# Allegro board BeagleBone_AI-64_Rev_B1_PCB_220602.brd (continued)
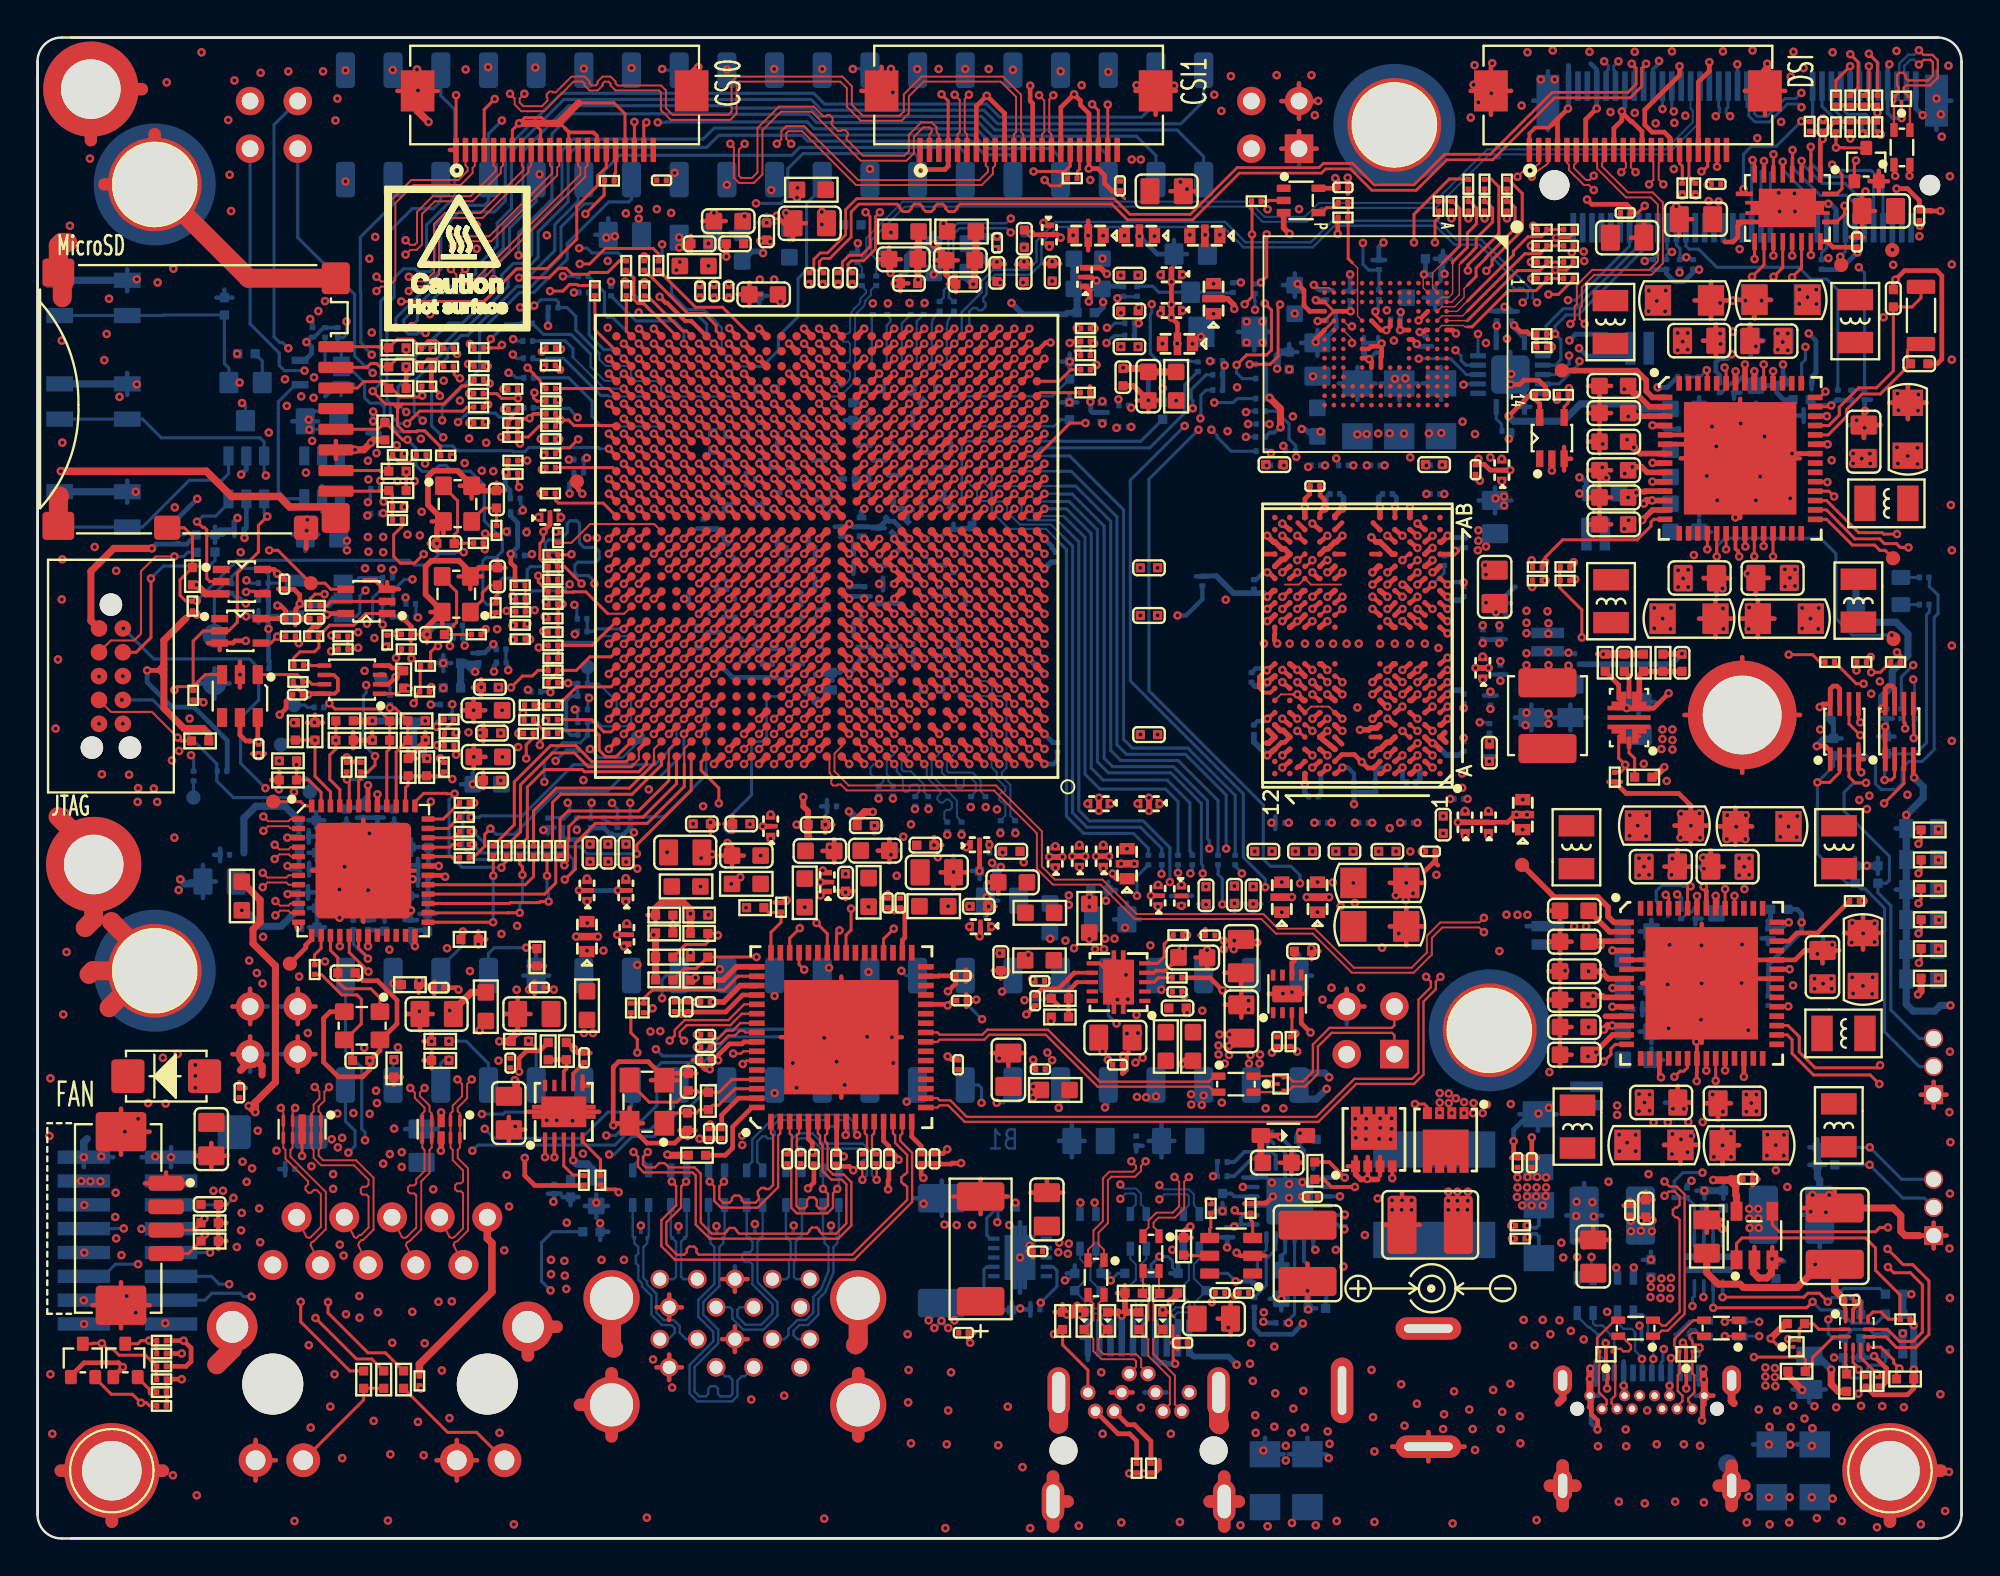
[diagram p0: board, top side]
## Routing (per net, layer and track width the routed paths; a pad name or vN(x,y) marks a point on that pad's centre or on a via; arc(x,y) is an arc through that point) (continued)
CSI0_RXRCALIB: length 0.6
  TOP w0.229: U19.F16 40.84,45.28 v1(40.84,45.28)
CSI1_RX0_N: length 136.7
  TOP w0.106: v1(36.9,74.34) 37.09,74.15 37.09,72.52 37.37,72.25 38.17,72.25 38.62,72.7 38.62,75.06 39.61,76.05 41.24,76.05 43.85,73.44 46.29,73.44 46.68,73.83 46.68,74.52 46.68,74.71 47.19,75.22 47.52,75.22 47.63,75.11 47.63,74.96 47.51,74.84 J15.2
  TOP w0.119: v1(40.84,42.08) 41.24,42.48 U19.B16
  L12-SIGNAL w0.103: v1(36.9,74.34) 37.13,74.11 37.13,73.6 37.03,73.5 36.15,73.5 36.05,73.6 36.05,74.77 35.77,75.05 35.31,75.05 35.03,74.77 35.03,73.6 34.92,73.5 34.72,73.5 34.61,73.6 34.61,74.77 34.33,75.05 33.87,75.05 33.59,74.77 33.59,73.6 33.49,73.5 33.28,73.5 33.18,73.6 33.18,74.77 32.89,75.05 32.43,75.05 32.15,74.77 32.15,73.6 32.05,73.5 31.84,73.5 31.74,73.6 31.74,74.77 31.46,75.05 31,75.05 30.72,74.77 30.72,73.6 30.61,73.5 30.41,73.5 30.3,73.6 30.3,74.77 30.02,75.05 29.56,75.05 29.28,74.77 29.28,73.6 29.18,73.5 28.97,73.5 28.87,73.6 28.87,74.77 28.58,75.05 28.12,75.05 27.84,74.77 27.84,73.6 27.74,73.5 27.47,73.5 27.36,73.6 27.36,74.21 27.08,74.49 26.62,74.49 26.34,74.21 26.34,73.6 26.24,73.5 19.79,73.5 9.93,63.64 9.93,47.52 13.46,43.98 14.83,43.98 15.22,43.6 15.22,42.27 15.61,41.87 16.17,41.87 16.61,42.31 16.97,42.31 17.3,41.98 17.3,41.22 18.51,40 18.51,39.29 22.48,35.32 22.48,33.29 25.12,30.65 27.22,30.65 27.5,30.93 27.5,31.97 27.6,32.07 27.81,32.07 27.91,31.97 27.91,30.93 28.2,30.65 31.38,30.65 32.41,31.68 32.41,32.4 33.85,33.84 33.99,33.84 34.19,33.64 34.59,33.64 34.92,33.97 34.92,34.37 34.72,34.57 34.72,34.71 35.25,35.25 36.04,35.25 37.54,36.75 37.54,38.5 38.02,38.98 39.26,38.98 40.43,40.15 40.43,41.31 40.44,41.32 40.44,41.69 v1(40.84,42.08)
CSI1_RX0_P: length 136.6
  TOP w0.106: J15.3 48.01,74.84 47.9,74.96 47.9,75.22 47.63,75.48 47.08,75.48 46.42,74.82 46.42,74.52 46.42,73.94 46.18,73.7 43.97,73.7 43.1,74.57 43.1,74.72 43.17,74.78 43.17,74.93 43.03,75.07 42.85,75.07 42.8,75.02 42.65,75.02 42.3,75.37 42.3,75.52 42.35,75.57 42.35,75.72 42.2,75.87 42.05,75.87 42,75.82 41.85,75.82 41.35,76.32 39.49,76.32 38.35,75.18 38.35,72.81 38.06,72.52 37.48,72.52 37.36,72.64 37.36,74.03 v1(37.67,74.34)
  TOP w0.119: v1(40.03,41.28) 40.44,41.68 U19.A17
  L12-SIGNAL w0.103: v1(37.67,74.34) 37.44,74.11 37.44,73.48 37.16,73.2 36.03,73.2 35.74,73.48 35.74,74.64 35.64,74.74 35.43,74.74 35.33,74.64 35.33,73.48 35.05,73.2 34.59,73.2 34.31,73.48 34.31,74.64 34.2,74.74 34,74.74 33.89,74.64 33.89,73.48 33.61,73.2 33.15,73.2 32.87,73.48 32.87,74.64 32.77,74.74 32.56,74.74 32.46,74.64 32.46,73.48 32.18,73.2 31.72,73.2 31.43,73.48 31.43,74.64 31.33,74.74 31.12,74.74 31.02,74.64 31.02,73.48 30.74,73.2 30.28,73.2 30,73.48 30,74.64 29.89,74.74 29.69,74.74 29.58,74.64 29.58,73.48 29.3,73.2 28.84,73.2 28.56,73.48 28.56,74.64 28.46,74.74 28.25,74.74 28.15,74.64 28.15,73.48 27.87,73.2 27.34,73.2 27.06,73.48 27.06,74.08 26.95,74.18 26.75,74.18 26.64,74.08 26.64,73.48 26.36,73.2 19.91,73.2 10.23,63.52 10.23,47.64 13.59,44.29 14.96,44.29 15.52,43.72 15.52,42.39 15.74,42.18 16.05,42.18 16.48,42.61 17.09,42.61 17.6,42.1 17.6,41.34 18.82,40.12 18.82,39.41 22.78,35.45 22.78,33.42 23.02,33.18 23.16,33.18 23.31,33.33 23.46,33.33 23.6,33.18 23.6,33.04 23.46,32.89 23.46,32.74 24.53,31.67 24.75,31.67 24.93,31.48 24.93,31.27 25.25,30.95 26.27,30.95 26.43,31.12 26.68,31.12 26.84,30.95 27.09,30.95 27.2,31.06 27.2,32.09 27.48,32.38 27.94,32.38 28.22,32.09 28.22,31.06 28.32,30.95 31.25,30.95 32.1,31.8 32.1,32.53 33.72,34.15 34.12,34.15 34.32,33.95 34.46,33.95 34.61,34.1 34.61,34.24 34.41,34.44 34.41,34.84 35.13,35.55 35.91,35.55 36.45,36.09 36.45,36.23 36.42,36.27 36.42,36.42 36.56,36.56 36.71,36.56 36.74,36.53 36.89,36.53 37.23,36.87 37.23,38.62 37.9,39.29 39.14,39.29 40.13,40.28 40.13,41.19 v1(40.03,41.28)
CSI1_RX1_N: length 136.8
  TOP w0.106: v1(48.86,76.95) 49.13,76.68 49.13,74.96 49.01,74.84 J15.5
  TOP w0.119: U19.D15 42.04,44.08 v1(41.64,43.68)
  L12-SIGNAL w0.103: v1(48.86,76.95) 49.08,76.72 49.08,76.38 48.92,76.22 47.65,76.22 47.55,76.32 47.55,76.7 47.27,76.98 46.81,76.98 46.53,76.7 46.53,76.32 46.42,76.22 44.79,76.22 44.69,76.32 44.69,76.54 44.41,76.83 43.95,76.83 43.66,76.54 43.66,76.32 43.56,76.22 43.35,76.22 43.25,76.32 43.25,76.54 42.97,76.83 42.51,76.83 42.23,76.54 42.23,76.32 42.12,76.22 41.92,76.22 41.81,76.32 41.81,76.54 41.53,76.83 41.07,76.83 40.79,76.54 40.79,76.32 40.69,76.22 40.48,76.22 40.38,76.32 40.38,76.54 40.1,76.83 39.64,76.83 39.35,76.54 39.35,76.32 39.25,76.22 39.04,76.22 38.94,76.32 38.94,76.54 38.66,76.83 38.2,76.83 37.92,76.54 37.92,76.32 37.81,76.22 37.61,76.22 37.5,76.32 37.5,76.54 37.22,76.83 36.76,76.83 36.48,76.54 36.48,76.32 36.38,76.22 36.17,76.22 36.07,76.32 36.07,76.54 35.79,76.83 35.33,76.83 35.04,76.54 35.04,76.32 34.94,76.22 27.05,76.22 25.86,75.02 24.69,75.02 24.4,74.74 24.4,74.57 24.3,74.46 24.09,74.46 23.99,74.57 23.99,74.74 23.71,75.02 23.25,75.02 22.97,74.74 22.97,74.57 22.86,74.46 22.66,74.46 22.55,74.57 22.55,74.74 22.27,75.02 21.81,75.02 21.53,74.74 21.53,74.57 21.43,74.46 21.22,74.46 21.12,74.57 21.12,74.74 20.84,75.02 19.68,75.02 8.91,64.25 8.91,46.96 9.15,46.72 9.15,46.57 8.59,46.01 8.59,45.61 8.91,45.28 9.31,45.28 9.88,45.85 10.02,45.85 10.17,45.7 10.17,45.56 9.6,44.99 9.6,44.59 9.93,44.26 10.33,44.26 10.89,44.83 11.04,44.83 11.19,44.68 11.19,44.54 10.62,43.97 10.62,43.57 10.95,43.25 11.34,43.25 11.91,43.81 12.06,43.81 12.23,43.64 12.23,43.63 12.62,43.23 12.64,43.23 12.8,43.07 12.8,42.92 12.59,42.71 12.59,42.31 12.92,41.99 13.31,41.99 13.52,42.2 13.67,42.2 21.36,34.51 21.36,34.21 21.26,34.11 20.57,34.11 20.29,33.83 20.29,33.37 20.57,33.09 21.26,33.09 21.36,32.98 21.36,32.61 24.28,29.68 32.08,29.68 34.92,32.53 36.02,32.53 36.62,33.14 36.62,33.54 36.11,34.05 36.11,34.2 36.26,34.35 36.4,34.35 36.92,33.83 37.32,33.83 39.93,36.44 39.93,38.17 40.46,38.7 41.28,38.7 41.81,39.23 41.81,40.99 42.03,41.21 42.03,42.24 41.79,42.49 41.47,42.49 41.24,42.72 41.24,43.04 41.64,43.43 v1(41.64,43.68)
CSI1_RX1_P: length 136.8
  TOP w0.106: v1(49.62,76.95) 49.4,76.73 49.4,74.96 49.51,74.84 J15.6
  TOP w0.119: U19.C16 41.24,43.28 v1(40.84,42.88)
  L12-SIGNAL w0.103: v1(40.84,42.88) 40.94,42.78 40.94,42.59 41.24,42.29 41.24,41.25 41.51,40.98 41.51,40.39 41.4,40.28 41.17,40.28 41.07,40.18 41.07,39.97 41.17,39.87 41.4,39.87 41.51,39.77 41.51,39.36 41.16,39.01 40.33,39.01 39.62,38.29 39.62,37.95 39.42,37.75 39.42,37.53 39.62,37.33 39.62,36.57 38.77,35.72 38.62,35.72 38.5,35.84 38.36,35.84 38.21,35.69 38.21,35.54 38.33,35.42 38.33,35.28 37.19,34.13 37.04,34.13 36.53,34.65 36.13,34.65 35.8,34.32 35.8,33.93 36.32,33.41 36.32,33.26 35.89,32.83 34.8,32.83 34.03,32.06 33.88,32.06 33.82,32.12 33.68,32.12 33.53,31.98 33.53,31.83 33.59,31.77 33.59,31.63 31.95,29.99 24.41,29.99 21.66,32.73 21.66,33.11 21.38,33.39 20.7,33.39 20.6,33.5 20.6,33.7 20.7,33.81 21.38,33.81 21.66,34.09 21.66,34.64 16.96,39.34 16.96,39.49 17.01,39.53 17.01,39.68 16.86,39.82 16.71,39.82 16.67,39.78 16.52,39.78 13.8,42.5 13.4,42.5 13.19,42.29 13.04,42.29 12.89,42.44 12.89,42.59 13.1,42.8 13.1,43.2 12.76,43.54 12.75,43.54 12.53,43.76 12.53,43.77 12.18,44.12 11.78,44.12 11.22,43.55 11.07,43.55 10.92,43.7 10.92,43.85 11.49,44.41 11.49,44.81 11.17,45.14 10.77,45.14 10.2,44.57 10.05,44.57 9.91,44.72 9.91,44.86 10.47,45.43 10.47,45.83 10.15,46.15 9.75,46.15 9.18,45.59 9.04,45.59 8.89,45.73 8.89,45.88 9.46,46.45 9.46,46.84 9.22,47.08 9.22,64.13 19.81,74.72 20.71,74.72 20.81,74.61 20.81,74.44 21.09,74.16 21.55,74.16 21.84,74.44 21.84,74.61 21.94,74.72 22.15,74.72 22.25,74.61 22.25,74.44 22.53,74.16 22.99,74.16 23.27,74.44 23.27,74.61 23.38,74.72 23.58,74.72 23.69,74.61 23.69,74.44 23.97,74.16 24.43,74.16 24.71,74.44 24.71,74.61 24.81,74.72 25.98,74.72 27.18,75.91 27.61,75.91 27.71,75.81 27.71,75.71 27.81,75.61 28.02,75.61 28.12,75.71 28.12,75.81 28.23,75.91 35.07,75.91 35.35,76.19 35.35,76.42 35.45,76.52 35.66,76.52 35.76,76.42 35.76,76.19 36.04,75.91 36.5,75.91 36.79,76.19 36.79,76.42 36.89,76.52 37.1,76.52 37.2,76.42 37.2,76.19 37.48,75.91 37.94,75.91 38.22,76.19 38.22,76.42 38.33,76.52 38.53,76.52 38.64,76.42 38.64,76.19 38.92,75.91 39.38,75.91 39.66,76.19 39.66,76.42 39.76,76.52 39.97,76.52 40.07,76.42 40.07,76.19 40.35,75.91 40.81,75.91 41.1,76.19 41.1,76.42 41.2,76.52 41.41,76.52 41.51,76.42 41.51,76.19 41.79,75.91 42.25,75.91 42.53,76.19 42.53,76.42 42.64,76.52 42.84,76.52 42.95,76.42 42.95,76.19 43.23,75.91 43.69,75.91 43.97,76.19 43.97,76.42 44.07,76.52 44.28,76.52 44.38,76.42 44.38,76.19 44.66,75.91 46.55,75.91 46.83,76.19 46.83,76.57 46.93,76.67 47.14,76.67 47.25,76.57 47.25,76.19 47.53,75.91 49.04,75.91 49.39,76.26 49.39,76.72 v1(49.62,76.95)
CSI1_RX2_N: length 136.8
  TOP w0.106: J15.11 52.01,74.84 52.13,74.96 52.13,76.84 51.32,77.65 47.2,77.65 46.42,76.87 46.42,75.95 46.03,75.57 43.85,75.57 43.11,76.31 43.11,77.3 42.76,77.65 37.35,77.65 37.24,77.55 37.24,75.95 36.91,75.61 33.73,75.61 33.21,76.13 33.21,77.08 33.1,77.18 30.79,77.18 30.53,77.44 30.53,77.55 30.42,77.65 30.21,77.65 30.1,77.55 30.1,77.44 29.84,77.18 29.41,77.18 29.15,77.44 29.15,77.55 29.04,77.65 28.56,77.65 26.98,76.08 25.77,76.08 25.42,76.43 25.42,76.76 v1(25.17,77)
  TOP w0.119: v1(43.24,43.68) 42.84,44.08 U19.D14
  L12-SIGNAL w0.103: v1(43.24,43.68) 43.2,43.69 42.68,43.43 42.63,43.29 42.67,43.23 42.67,37.69 42.31,37.33 41.81,37.33 41.22,36.75 41.22,34.74 40.88,34.4 39.61,34.4 38.76,33.54 38.76,31.74 38.43,31.41 35.96,31.41 35.1,30.55 34.44,30.55 32.46,28.57 23.7,28.57 18.16,34.1 18.16,35.86 13.54,40.48 11.91,40.48 7.69,44.7 7.69,64.74 19.25,76.29 25.17,76.29 25.4,76.52 25.4,76.78 v1(25.17,77)
CSI1_RX2_P: length 136.8
  TOP w0.106: v1(25.93,77) 25.68,76.76 25.68,76.54 25.88,76.34 26.87,76.34 27.16,76.63 27.16,76.78 27.12,76.82 27.12,76.97 27.27,77.12 27.42,77.12 27.46,77.08 27.61,77.08 28.45,77.92 29.15,77.92 29.41,77.66 29.41,77.55 29.52,77.45 29.73,77.45 29.84,77.55 29.84,77.66 30.1,77.92 30.53,77.92 30.79,77.66 30.79,77.55 30.9,77.45 33.21,77.45 33.48,77.19 33.48,76.24 33.84,75.88 36.79,75.88 36.97,76.06 36.97,77.66 37.24,77.92 42.87,77.92 43.38,77.41 43.38,76.42 43.97,75.84 45.92,75.84 46.15,76.06 46.15,76.98 47.09,77.92 51.43,77.92 52.4,76.95 52.4,74.96 52.51,74.84 J15.12
  TOP w0.119: U19.C15 42.04,43.28 v1(41.64,42.88)
  L12-SIGNAL w0.103: v1(41.64,42.88) 41.65,42.93 42.17,43.19 42.36,43.14 42.37,43.13 42.37,37.82 42.19,37.63 41.68,37.63 40.92,36.87 40.92,34.87 40.75,34.7 39.48,34.7 38.45,33.67 38.45,33.25 38.35,33.14 38.28,33.14 38.17,33.04 38.17,32.83 38.28,32.73 38.35,32.73 38.45,32.63 38.45,31.87 38.3,31.72 37.7,31.72 37.59,31.82 37.59,31.89 37.49,32 37.28,32 37.18,31.89 37.18,31.82 37.08,31.72 35.84,31.72 35.72,31.6 35.49,31.6 35.31,31.42 35.31,31.19 34.97,30.85 34.31,30.85 32.33,28.87 23.82,28.87 18.46,34.23 18.46,35.98 13.66,40.78 12.04,40.78 8,44.82 8,64.61 19.38,75.99 25.3,75.99 25.7,76.39 25.7,76.78 v1(25.93,77)
CSI1_RX3_N: length 137.2
  TOP w0.106: J15.14 53.51,74.84 53.63,74.96 53.63,76.65 v1(53.35,76.93)
  TOP w0.119: v1(44.04,44.48) 43.64,44.88 U19.E13
  L12-SIGNAL w0.103: v1(53.35,76.93) 53.58,76.7 53.58,76.41 53.39,76.22 52.32,76.22 50.62,77.92 19.28,77.92 6.53,65.17 6.53,44.26 11.73,39.06 13.64,39.06 16.76,35.93 16.76,33.9 23.14,27.52 33.12,27.52 34.75,29.15 38.89,29.15 42.52,32.78 42.52,35.86 44.09,37.43 44.09,39.39 44.22,39.52 44.22,40.81 44.43,41.02 44.43,43.52 44.43,44.09 v1(44.04,44.48)
CSI1_RX3_P: length 137.2
  TOP w0.106: v1(54.12,76.93) 53.9,76.71 53.9,74.96 54.01,74.84 J15.15
  TOP w0.119: v1(43.24,44.48) 42.84,44.88 U19.E14
  L12-SIGNAL w0.103: v1(43.24,44.48) 43.64,44.08 43.64,43.05 43.64,43.05 43.64,42.72 43.64,42.72 43.64,41.11 43.92,40.83 43.92,40.62 43.82,40.52 43.71,40.52 43.61,40.41 43.61,40.21 43.71,40.1 43.82,40.1 43.92,40 43.92,39.64 43.79,39.51 43.79,37.56 42.21,35.98 42.21,33.89 42.11,33.78 42.04,33.78 41.93,33.68 41.93,33.47 42.04,33.37 42.11,33.37 42.21,33.27 42.21,32.91 41.53,32.22 41.38,32.22 41.35,32.26 41.2,32.26 41.06,32.11 41.06,31.96 41.09,31.93 41.09,31.79 38.76,29.46 34.62,29.46 32.99,27.83 23.26,27.83 17.07,34.03 17.07,36.06 13.76,39.36 11.86,39.36 6.83,44.39 6.83,65.04 19.4,77.61 50.49,77.61 52.2,75.91 53.52,75.91 53.89,76.28 53.89,76.7 v1(54.12,76.93)
CSI1_RXCLK_N: length 136.1
  TOP w0.106: v1(39.39,74.34) 39.62,74.57 39.62,75.01 39.88,75.28 40.84,75.28 43.71,72.41 50.19,72.41 50.63,72.85 50.63,73.06 50.51,73.18 J15.8
  TOP w0.119: v1(40.03,42.08) 40.44,42.48 U19.B17
  L12-SIGNAL w0.103: v1(40.03,42.08) 39.82,42.08 39.64,41.89 39.64,40.65 38.98,40 33.75,40 33.6,39.84 33.6,38.04 33.75,37.89 34.44,37.89 34.83,37.5 34.83,36.33 33.88,35.38 33.48,35.38 33.1,35.76 32.92,35.76 32.81,35.65 32.81,35.46 33.19,35.09 33.19,34.69 31.71,33.21 28.83,33.21 27.56,34.48 26.67,34.48 26.29,34.87 26.29,37.13 26.16,37.26 25.53,37.26 25.42,37.15 25.42,34.66 24.94,34.18 24.23,34.18 23.54,34.87 23.54,35.63 21.47,37.7 21.47,38.1 22.05,38.68 22.05,38.83 21.9,38.97 21.75,38.97 21.17,38.4 20.78,38.4 19.61,39.57 19.61,40.74 19.5,40.84 19.13,40.84 18.84,41.12 18.84,41.58 19.13,41.86 19.5,41.86 19.61,41.97 19.61,42.33 19.3,42.64 19.16,42.64 18.96,42.44 18.56,42.44 18.23,42.77 18.23,43.16 18.43,43.36 18.43,43.51 17.66,44.28 17.51,44.28 17.01,43.78 16.61,43.78 16.29,44.1 16.29,44.5 16.79,45.01 16.79,45.15 16.58,45.36 13.59,45.36 11.63,47.31 11.63,52.29 11.39,52.53 11.39,54.71 11.29,54.81 11.18,54.81 10.89,55.09 10.89,55.55 11.18,55.84 11.29,55.84 11.39,55.94 11.39,57.28 11.29,57.38 11.15,57.38 10.87,57.67 10.87,58.13 11.15,58.41 11.29,58.41 11.39,58.51 11.39,58.72 11.29,58.82 11.15,58.82 10.87,59.1 10.87,59.56 11.15,59.84 11.29,59.84 11.39,59.95 11.39,63.73 19.28,71.62 20.7,71.62 20.8,71.72 20.8,72.06 21.09,72.34 21.55,72.34 21.83,72.06 21.83,71.72 21.93,71.62 22.14,71.62 22.24,71.72 22.24,72.06 22.52,72.34 22.98,72.34 23.26,72.06 23.26,71.72 23.37,71.62 23.57,71.62 23.68,71.72 23.68,72.06 23.96,72.34 24.42,72.34 24.7,72.06 24.7,71.72 24.8,71.62 25.01,71.62 25.11,71.72 25.11,72.06 25.4,72.34 25.86,72.34 26.14,72.06 26.14,71.72 26.24,71.62 26.45,71.62 26.55,71.72 26.55,72.06 26.83,72.34 27.29,72.34 27.57,72.06 27.57,71.72 27.68,71.62 27.88,71.62 27.99,71.72 27.99,72.06 28.27,72.34 28.73,72.34 29.01,72.06 29.01,71.72 29.11,71.62 29.32,71.62 29.42,71.72 29.42,72.06 29.71,72.34 30.17,72.34 30.45,72.06 30.45,71.72 30.55,71.62 30.76,71.62 30.86,71.72 30.86,72.06 31.14,72.34 31.6,72.34 31.88,72.06 31.88,71.72 31.99,71.62 32.19,71.62 32.3,71.72 32.3,72.06 32.58,72.34 33.04,72.34 33.32,72.06 33.32,71.72 33.42,71.62 33.63,71.62 33.73,71.72 33.73,72.06 34.02,72.34 34.48,72.34 34.76,72.06 34.76,71.72 34.86,71.62 35.07,71.62 35.17,71.72 35.17,72.06 35.45,72.34 35.91,72.34 36.19,72.06 36.19,71.72 36.3,71.62 37.72,71.62 38.48,72.38 38.48,72.53 38.12,72.89 38.12,73.29 38.45,73.62 38.84,73.62 39.21,73.26 39.35,73.26 39.62,73.52 39.62,74.11 v1(39.39,74.34)
CSI1_RXCLK_P: length 136
  TOP w0.106: v1(39.23,41.28) 39.63,41.68 U19.A18 ; v1(40.15,74.34) 39.89,74.6 39.89,74.9 39.99,75.01 40.73,75.01 43.6,72.14 50.3,72.14 50.9,72.74 50.9,73.06 51.01,73.18 J15.9
  L12-SIGNAL w0.103: v1(39.23,41.28) 39.33,41.18 39.33,40.78 38.86,40.3 38.39,40.3 38.29,40.4 38.29,40.45 38.18,40.56 37.98,40.56 37.87,40.45 37.87,40.4 37.77,40.3 37.56,40.3 37.46,40.4 37.46,40.45 37.36,40.56 37.15,40.56 37.05,40.45 37.05,40.4 36.94,40.3 36.74,40.3 36.63,40.4 36.63,40.45 36.53,40.56 36.32,40.56 36.22,40.45 36.22,40.4 36.11,40.3 35.91,40.3 35.8,40.4 35.8,40.45 35.7,40.56 35.49,40.56 35.39,40.45 35.39,40.4 35.29,40.3 35.08,40.3 34.98,40.4 34.98,40.45 34.87,40.56 34.67,40.56 34.56,40.45 34.56,40.4 34.46,40.3 33.63,40.3 33.3,39.97 33.3,37.91 33.63,37.58 34.31,37.58 34.52,37.37 34.52,36.46 33.75,35.69 33.61,35.69 33.23,36.06 32.79,36.06 32.51,35.78 32.51,35.34 32.88,34.96 32.88,34.82 32.48,34.41 32.21,34.41 32.04,34.24 32.04,33.97 31.58,33.52 31.02,33.52 30.89,33.65 30.6,33.65 30.48,33.52 30.25,33.52 30.14,33.62 30.14,33.72 30.04,33.82 29.83,33.82 29.73,33.72 29.73,33.62 29.63,33.52 28.95,33.52 27.68,34.79 26.79,34.79 26.59,34.99 26.59,37.25 26.28,37.56 25.4,37.56 25.12,37.28 25.12,34.79 24.81,34.48 24.36,34.48 23.85,34.99 23.85,35.75 21.77,37.83 21.77,37.98 22.35,38.56 22.35,38.95 22.03,39.28 21.63,39.28 21.05,38.7 20.9,38.7 19.91,39.69 19.91,40.86 19.63,41.15 19.25,41.15 19.15,41.25 19.15,41.46 19.25,41.56 19.63,41.56 19.91,41.84 19.91,42.46 19.43,42.94 19.03,42.94 18.83,42.74 18.69,42.74 18.54,42.89 18.54,43.04 18.74,43.24 18.74,43.63 17.79,44.59 17.39,44.59 16.88,44.08 16.74,44.08 16.59,44.23 16.59,44.38 17.09,44.88 17.09,45.28 16.71,45.66 13.71,45.66 11.93,47.44 11.93,52.42 11.7,52.66 11.7,54.84 11.41,55.12 11.3,55.12 11.2,55.22 11.2,55.43 11.3,55.53 11.41,55.53 11.7,55.81 11.7,57.41 11.41,57.69 11.28,57.69 11.17,57.79 11.17,58 11.28,58.1 11.41,58.1 11.7,58.38 11.7,58.84 11.41,59.13 11.28,59.13 11.17,59.23 11.17,59.44 11.28,59.54 11.41,59.54 11.7,59.82 11.7,63.61 19.4,71.31 20.83,71.31 21.11,71.6 21.11,71.93 21.21,72.04 21.42,72.04 21.52,71.93 21.52,71.6 21.8,71.31 22.26,71.31 22.55,71.6 22.55,71.93 22.65,72.04 22.86,72.04 22.96,71.93 22.96,71.6 23.24,71.31 23.7,71.31 23.98,71.6 23.98,71.93 24.09,72.04 24.29,72.04 24.4,71.93 24.4,71.6 24.68,71.31 25.14,71.31 25.42,71.6 25.42,71.93 25.52,72.04 25.73,72.04 25.83,71.93 25.83,71.6 26.11,71.31 26.57,71.31 26.86,71.6 26.86,71.93 26.96,72.04 27.17,72.04 27.27,71.93 27.27,71.6 27.55,71.31 28.01,71.31 28.29,71.6 28.29,71.93 28.4,72.04 28.6,72.04 28.71,71.93 28.71,71.6 28.99,71.31 29.45,71.31 29.73,71.6 29.73,71.93 29.83,72.04 30.04,72.04 30.14,71.93 30.14,71.6 30.42,71.31 30.88,71.31 31.17,71.6 31.17,71.93 31.27,72.04 31.48,72.04 31.58,71.93 31.58,71.6 31.86,71.31 32.32,71.31 32.6,71.6 32.6,71.93 32.71,72.04 32.91,72.04 33.02,71.93 33.02,71.6 33.3,71.31 33.76,71.31 34.04,71.6 34.04,71.93 34.14,72.04 34.35,72.04 34.45,71.93 34.45,71.6 34.73,71.31 35.19,71.31 35.48,71.6 35.48,71.93 35.58,72.04 35.79,72.04 35.89,71.93 35.89,71.6 36.17,71.31 37.84,71.31 38.79,72.26 38.79,72.66 38.42,73.02 38.42,73.17 38.57,73.31 38.72,73.31 39.08,72.95 39.48,72.95 39.92,73.39 39.92,74.11 v1(40.15,74.34)
CSI1_RXRCALIB: length 1.3
  TOP w0.229: v1(41.64,45.28) 42.04,45.68 U19.F15
  BOTTOM w0.381: R98.1 41.69,45.23 v1(41.64,45.28)
D23_MCU_UART0_TXD: length 54.8
  TOP w0.229: U19.D23 35.63,44.08 v1(35.23,43.68)
  L10-SIGNAL w0.102: v1(28.06,14.8) 28.73,15.46 28.73,19.14 29.46,19.88 29.46,25.75 30.81,27.09 30.81,30.57 31.8,31.56 31.8,33.54 32.46,34.21 32.46,37.33 34.87,39.74 34.87,43.32 v1(35.23,43.68)
  L12-SIGNAL w0.102: v1(9.19,15.24) 9.75,15.24 11.64,13.35 23.74,13.35 24.87,14.48 27.75,14.48 v1(28.06,14.8)
  BOTTOM w0.165: J10.8 v1(9.19,15.24)
D25_MCU_I3C0_SDA: length 13.7
  TOP w0.165: R211.1 22.21,42.24 22.21,41.86 v1(22.3,41.77)
  TOP w0.229: U19.D25 34.03,44.08 v1(33.64,43.68) 33.64,43.68
  L5-SIGNAL w0.102: v1(22.3,41.77) 22.88,41.19 26.19,41.19 28.32,43.32 33.27,43.32 v1(33.64,43.68)
D26_MCU_I3C0_SCL: length 11.2
  TOP w0.165: v1(26.03,41.57) 26.03,42.31 26.43,42.7 26.43,42.9 R245.1
  TOP w0.229: U19.D26 33.23,44.08 v1(32.83,43.68)
  L3-SIGNAL w0.102: v1(32.83,43.68) 32.39,44.12 32.39,44.63 32.18,44.84 31.84,44.84 31.64,44.64 31.64,44.33 31.4,44.09 29.94,44.09 27.7,41.85 27,41.85 26.72,41.57 v1(26.03,41.57)
DC_VDD_5V: length 15.2
  L3-SIGNAL w0.381: v1(87.02,13.89) 90.29,13.89 90.92,13.26 95.51,13.26 97.84,10.93 v1(99.37,10.93)
  BOTTOM w0.165: P9.5 v1(62.12,23.61)
  BOTTOM w0.381: v1(99.37,10.93) R352.1 R350.1
  vias: v1(61.45,23.68) v1(61.47,23.13) v1(62.02,23.11) v1(63.09,23.23) v1(85.95,13.85) v1(85.95,13.4) v1(85.93,12.87) v1(86.46,12.82) v1(86.51,13.86) v1(86.48,13.35) v1(86.97,12.79) v1(86.99,13.35)
DDR0_CAL0: length 0.9
  TOP w0.229: U19.H2 v1(52.84,46.88)
  BOTTOM w0.165: R83.1 53.04,46.68
  BOTTOM w0.254: 53.04,46.68 v1(52.84,46.88)
DP0_AUX_N: length 30.3
  TOP w0.106: v1(61.33,19.27) 61.08,19.02 61.08,17.6 60.59,17.1 59.71,17.1 59.45,16.84 59.45,16.61 59.74,16.32 L13.1
  L12-SIGNAL w0.103: v1(52.09,37.6) 51.83,37.33 51.83,37.19 52.13,36.89 52.13,23.25 52.88,22.5 58.42,22.5 61.11,19.8 61.11,19.49 v1(61.33,19.27)
  BOTTOM w0.152: 52.07,37.72 52.07,37.62 v1(52.09,37.6)
DP0_AUX_P: length 30.3
  TOP w0.106: v1(60.57,19.27) 60.82,19.02 60.82,17.71 60.48,17.36 59.6,17.36 59.19,16.95 59.19,16.58 58.89,16.29 L13.4
  L12-SIGNAL w0.103: v1(51.29,37.6) 51.52,37.36 51.52,37.06 51.82,36.76 51.82,23.12 52.75,22.19 58.29,22.19 60.81,19.68 60.81,19.5 v1(60.57,19.27)
  BOTTOM w0.152: 51.31,37.72 51.31,37.62 v1(51.29,37.6)
DP0_CONFIG1: length 4
  TOP w0.254: J7.4 57.56,5.58 58.17,5.58 58.55,5.2 R308.2
DP0_CONFIG2: length 3.8
  TOP w0.254: J7.6 58.08,6.06 58.43,6.06 59.32,5.18 R309.2
DP0_HPD: length 74.7
  TOP w0.165: J7.2 55.96,8.97 54.61,10.32 R298.1 54.4,11.14 v1(54.15,10.89)
  TOP w0.229: v1(51.24,57.29) 51.24,57.28 U19.Y4
  L3-SIGNAL w0.102: v1(54.15,10.89) 54.15,10.48 54.69,9.94 65.6,9.94 v1(65.89,10.23)
  L10-SIGNAL w0.102: v1(65.89,10.23) 64.93,11.18 64.93,12.18 65.17,12.42 65.17,21.07 64.13,22.11 64.13,34.94 63.32,35.75 v1(63.32,36.77)
  BOTTOM w0.114: v1(51.24,57.29) 51.64,56.88 51.89,56.88
  BOTTOM w0.137: 54.43,56.88 51.89,56.88
  BOTTOM w0.165: v1(63.32,36.77) 63.32,39.63 61.15,41.8 58.01,41.8 57.5,42.31 57.5,54.45 55.07,56.88 54.43,56.88
DP0_TX0_N: length 30.7
  L12-SIGNAL w0.103: v1(45.57,39.44) 45.57,39.08 45.34,38.85 45.34,37.17 45,36.83 45,23.6 49.88,18.71 55.81,18.71 56.09,18.43 56.09,18.13 v1(56.32,17.9)
  BOTTOM w0.106: v1(45.57,39.44) 45.57,39.55 ; L5.4 56.38,17.84 v1(56.32,17.9)
DP0_TX0_P: length 30.7
  L12-SIGNAL w0.103: v1(55.55,17.9) 55.78,18.13 55.78,18.3 55.68,18.41 49.76,18.41 44.69,23.47 44.69,36.96 45.04,37.3 45.04,38.85 44.81,39.08 v1(44.81,39.44)
  BOTTOM w0.106: v1(55.55,17.9) 55.55,17.86 55.53,17.84 L5.1 ; v1(44.81,39.44) 44.81,39.55
DP0_TX1_N: length 31.1
  L12-SIGNAL w0.103: v1(57.68,18.86) 57.43,18.61 57.07,18.61 56.08,19.6 50.62,19.6 47.06,23.16 47.06,37.13 47.26,37.32 47.26,38.31 47.47,38.52 v1(47.47,38.88)
  BOTTOM w0.106: 47.45,39.01 47.45,38.9 v1(47.47,38.88) ; L4.4 59.07,17.53 58.78,17.82 58.78,18.39 58.51,18.65 57.89,18.65 v1(57.68,18.86)
DP0_TX1_P: length 31.2
  L12-SIGNAL w0.103: v1(57.68,18.1) 57.48,18.3 56.94,18.3 55.95,19.3 50.49,19.3 46.76,23.03 46.76,37.25 46.95,37.45 46.95,38.31 46.74,38.52 v1(46.74,38.88)
  BOTTOM w0.106: L4.1 58.22,17.52 58.51,17.81 58.51,18.28 58.4,18.38 57.96,18.38 v1(57.68,18.1) ; 46.76,39.01 46.76,39.01
  BOTTOM w0.152: v1(46.74,38.88) 46.76,38.9 46.76,39.01
DP0_TX2_N: length 31.7
  L12-SIGNAL w0.103: v1(59.76,18.84) 59.51,18.58 59.1,18.58 57.12,20.57 50.95,20.57 48.05,23.46 48.05,35.36 49,36.3 49,37.28 v1(49.23,37.51)
  BOTTOM w0.106: L3.4 61.89,17.47 61.6,17.77 61.6,18.35 61.34,18.61 59.99,18.61 v1(59.76,18.84) ; v1(49.23,37.51) 49.23,37.65
DP0_TX2_P: length 31.8
  L12-SIGNAL w0.103: v1(59.76,18.08) 59.56,18.28 58.98,18.28 57,20.26 50.82,20.26 47.75,23.33 47.75,35.48 48.69,36.43 48.69,37.28 v1(48.46,37.51)
  BOTTOM w0.106: v1(48.46,37.51) 48.46,37.65 ; v1(59.76,18.08) 60.03,18.34 61.23,18.34 61.33,18.24 61.33,17.77 61.04,17.47 L3.1
DP0_TX3_N: length 34.6
  TOP w0.106: v1(59.03,20.11) 58.79,19.86 58.79,19.6 58.47,19.28 57.21,19.28 57.02,19.1 57.02,16.81 56.52,16.3 56.52,15.68 56.81,15.39 L12.1
  L12-SIGNAL w0.103: v1(50.51,38.98) 50.51,38.63 50.26,38.38 50.26,36.23 49.51,35.48 49.51,34.41 49.22,34.13 49.22,23.64 51.31,21.56 58.04,21.56 58.82,20.77 58.82,20.32 v1(59.03,20.11)
DP0_TX3_P: length 34.6
  TOP w0.106: v1(58.27,20.11) 58.52,19.86 58.52,19.71 58.36,19.55 57.1,19.55 56.75,19.21 56.75,16.92 56.25,16.42 56.25,15.68 55.96,15.39 L12.4
  L12-SIGNAL w0.103: v1(49.71,38.98) 49.71,38.63 49.96,38.38 49.96,36.36 49.2,35.6 49.2,34.54 48.92,34.26 48.92,23.51 51.18,21.25 57.91,21.25 58.52,20.64 58.52,20.36 v1(58.27,20.11)
DSI_I2C4_SCL: length 64.6
  TOP w0.165: v1(88.64,72.86) 88.69,72.86 88.97,73.14 J16.20
  TOP w0.229: v1(38.43,60.48) 38.83,60.08 U19.AD19
  L5-SIGNAL w0.102: v1(88.64,72.86) 88.93,72.58 89.07,72.58 90,71.65 90,68.46 88.44,66.89 87.37,66.89 87.07,67.2 85.29,67.2 84.83,66.74 71.14,66.74 70.64,66.23 70.64,65.32 70.29,64.98 69.87,64.98 69.33,64.43 64.23,64.43 63.9,64.76 61.54,64.76 61.09,64.3 57.73,64.3 57.5,64.53 v1(56.97,64.53)
  L12-SIGNAL w0.102: v1(56.97,64.53) 56.53,64.09 54.84,64.09 54.04,63.29 44.69,63.29 44.44,63.05 44.44,62.74 44.2,62.49 43.86,62.49 43.05,61.68 39.12,61.68 39.12,61.68 39.07,61.68 38.84,61.45 38.84,61.4 38.83,61.39 38.83,61.12 38.81,61.11 38.81,60.86 v1(38.43,60.48)
  BOTTOM w0.165: v1(56.97,64.53) 57.15,64.53 57.39,64.78 R75.2
DSI_I2C4_SDA: length 65.3
  TOP w0.165: J16.21 v1(89.47,73.12)
  TOP w0.229: v1(39.23,60.48) 39.63,60.08 U19.AD18
  L5-SIGNAL w0.102: v1(89.47,73.12) 90.23,72.36 90.23,68.1 87.15,65.02 85.49,65.02 84.91,65.6 80.43,65.6 80.08,65.26 77.61,65.26 76.55,66.31 71.47,66.31 70.86,65.7 70.86,64.76 70.31,64.2 64.03,64.2 63.45,63.62 62.1,63.62 61.64,63.16 59.66,63.16 58.77,64.05 57.68,64.05 57.35,63.72 v1(56.94,63.72)
  L12-SIGNAL w0.102: v1(39.23,60.48) 39.63,60.88 43.04,60.88 43.85,61.69 44.2,61.69 44.43,61.92 44.43,62.24 44.67,62.48 53.23,62.48 53.67,62.04 55.04,62.04 56.23,63.24 56.46,63.24 v1(56.94,63.72)
  BOTTOM w0.165: v1(56.94,63.72) 57.25,64.02 57.3,64.02 57.39,64.11 R76.2
DSI_TX0_N: length 93.8
  TOP w0.106: v1(78.84,72.58) 79.38,73.12 79.76,73.12 80.01,73.29 80.01,73.98 J16.2
  TOP w0.165: v1(45.64,43.68) 45.24,44.08 U19.D11
  L3-SIGNAL w0.103: v1(78.84,72.58) 79.07,72.35 79.07,71.34 79.81,70.6 82.47,70.6 83.84,69.23 83.84,61.64 81.1,58.89 81.1,53.51 82.65,51.96 82.65,46.57 80.87,44.8 80.87,37.35 79.65,36.14 73.48,36.14 73.2,35.85 73.2,35.73 73.09,35.63 72.89,35.63 72.78,35.73 72.78,35.85 72.5,36.14 71.87,36.14 71.59,35.85 71.59,34.21 71.48,34.1 71.27,34.1 71.17,34.21 71.17,35.85 70.89,36.14 69.96,36.14 69.68,35.85 69.68,35.76 69.58,35.66 69.37,35.66 69.27,35.76 69.27,35.85 68.99,36.14 68.53,36.14 68.25,35.85 68.25,35.76 68.14,35.66 67.94,35.66 67.83,35.76 67.83,35.85 67.55,36.14 65.63,36.14 65.35,35.85 65.35,35.6 65.25,35.5 65.04,35.5 64.94,35.6 64.94,35.85 64.65,36.14 64.29,36.14 64.03,36.39 59.38,36.39 58.06,35.07 55.14,35.07 54.98,35.22 54.72,35.22 54.57,35.07 54.02,35.07 53.44,35.65 53.44,37.26 52.25,38.45 50.74,38.45 50.46,38.17 50.46,37.76 50.36,37.65 50.15,37.65 50.05,37.76 50.05,38.17 49.77,38.45 48.92,38.45 46.57,40.79 46.57,40.9 46.81,41.14 46.81,42.22 46.59,42.44 46.37,42.44 46.08,42.73 46.08,42.95 45.64,43.39 v1(45.64,43.68)
DSI_TX0_P: length 93.8
  TOP w0.106: v1(79.6,72.58) 79.63,72.71 79.86,72.86 80.34,73.19 80.47,73.32 J16.3
  TOP w0.165: U19.C12 44.44,43.28 v1(44.84,42.88)
  L3-SIGNAL w0.103: v1(79.6,72.58) 79.38,72.35 79.38,71.46 79.93,70.91 82.6,70.91 84.15,69.36 84.15,61.51 81.4,58.77 81.4,53.64 82.95,52.09 82.95,46.45 81.18,44.67 81.18,37.23 79.78,35.83 73.61,35.83 73.5,35.73 73.5,35.6 73.22,35.32 72.76,35.32 72.48,35.6 72.48,35.73 72.38,35.83 71.99,35.83 71.89,35.73 71.89,34.08 71.61,33.8 71.15,33.8 70.87,34.08 70.87,35.73 70.76,35.83 70.09,35.83 69.99,35.73 69.99,35.64 69.71,35.35 69.25,35.35 68.96,35.64 68.96,35.73 68.86,35.83 68.65,35.83 68.55,35.73 68.55,35.64 68.27,35.35 67.81,35.35 67.53,35.64 67.53,35.73 67.42,35.83 65.76,35.83 65.65,35.73 65.65,35.48 65.37,35.2 64.91,35.2 64.63,35.48 64.63,35.73 64.53,35.83 64.16,35.83 63.9,36.08 59.51,36.08 58.19,34.76 53.9,34.76 53.13,35.53 53.13,37.13 52.12,38.14 50.87,38.14 50.77,38.04 50.77,37.63 50.49,37.35 50.03,37.35 49.74,37.63 49.74,38.04 49.64,38.14 48.79,38.14 46.27,40.66 46.27,40.92 46.02,41.16 46.02,42.3 45.8,42.52 45.49,42.52 45.13,42.88 v1(44.84,42.88)
DSI_TX1_N: length 93.2
  TOP w0.106: J16.5 81.47,73.33 81.58,73.22 81.58,72.93 81.82,72.7 82.38,72.14 82.64,72.14 v1(82.9,71.87)
  TOP w0.165: v1(44.84,43.68) 44.84,43.68 U19.D12
  L3-SIGNAL w0.103: v1(82.9,71.87) 83.13,72.1 83.44,72.1 83.59,71.95 83.59,70.78 84.88,69.49 84.88,62.3 85.13,62.06 85.13,61.28 82.51,58.66 82.51,53.8 83.82,52.49 83.82,46.24 81.79,44.21 81.79,36.82 79.88,34.92 74.42,34.92 72.46,32.96 65.33,32.96 65.02,33.27 63.89,33.27 63.61,32.98 63.61,32.66 63.5,32.55 63.3,32.55 63.19,32.66 63.19,32.98 62.91,33.27 62.45,33.27 62.17,32.98 62.17,32.66 62.07,32.55 61.86,32.55 61.76,32.66 61.76,32.98 61.48,33.27 61.02,33.27 60.73,32.98 60.73,32.66 60.63,32.55 60.42,32.55 60.32,32.66 60.32,32.98 60.04,33.27 54.1,33.27 52.45,34.92 47.98,34.92 45.68,37.22 45.68,38.21 46.33,38.86 46.33,39.68 45.87,40.15 45.41,40.15 44.99,40.57 44.99,40.63 44.99,40.78 45.2,40.99 45.2,42.23 44.99,42.44 44.62,42.44 44.48,42.59 44.48,43.03 44.84,43.39 v1(44.84,43.68)
